# Altium PCB KlusterLab r2.0.PcbDoc (part 11 of 22) (continued)
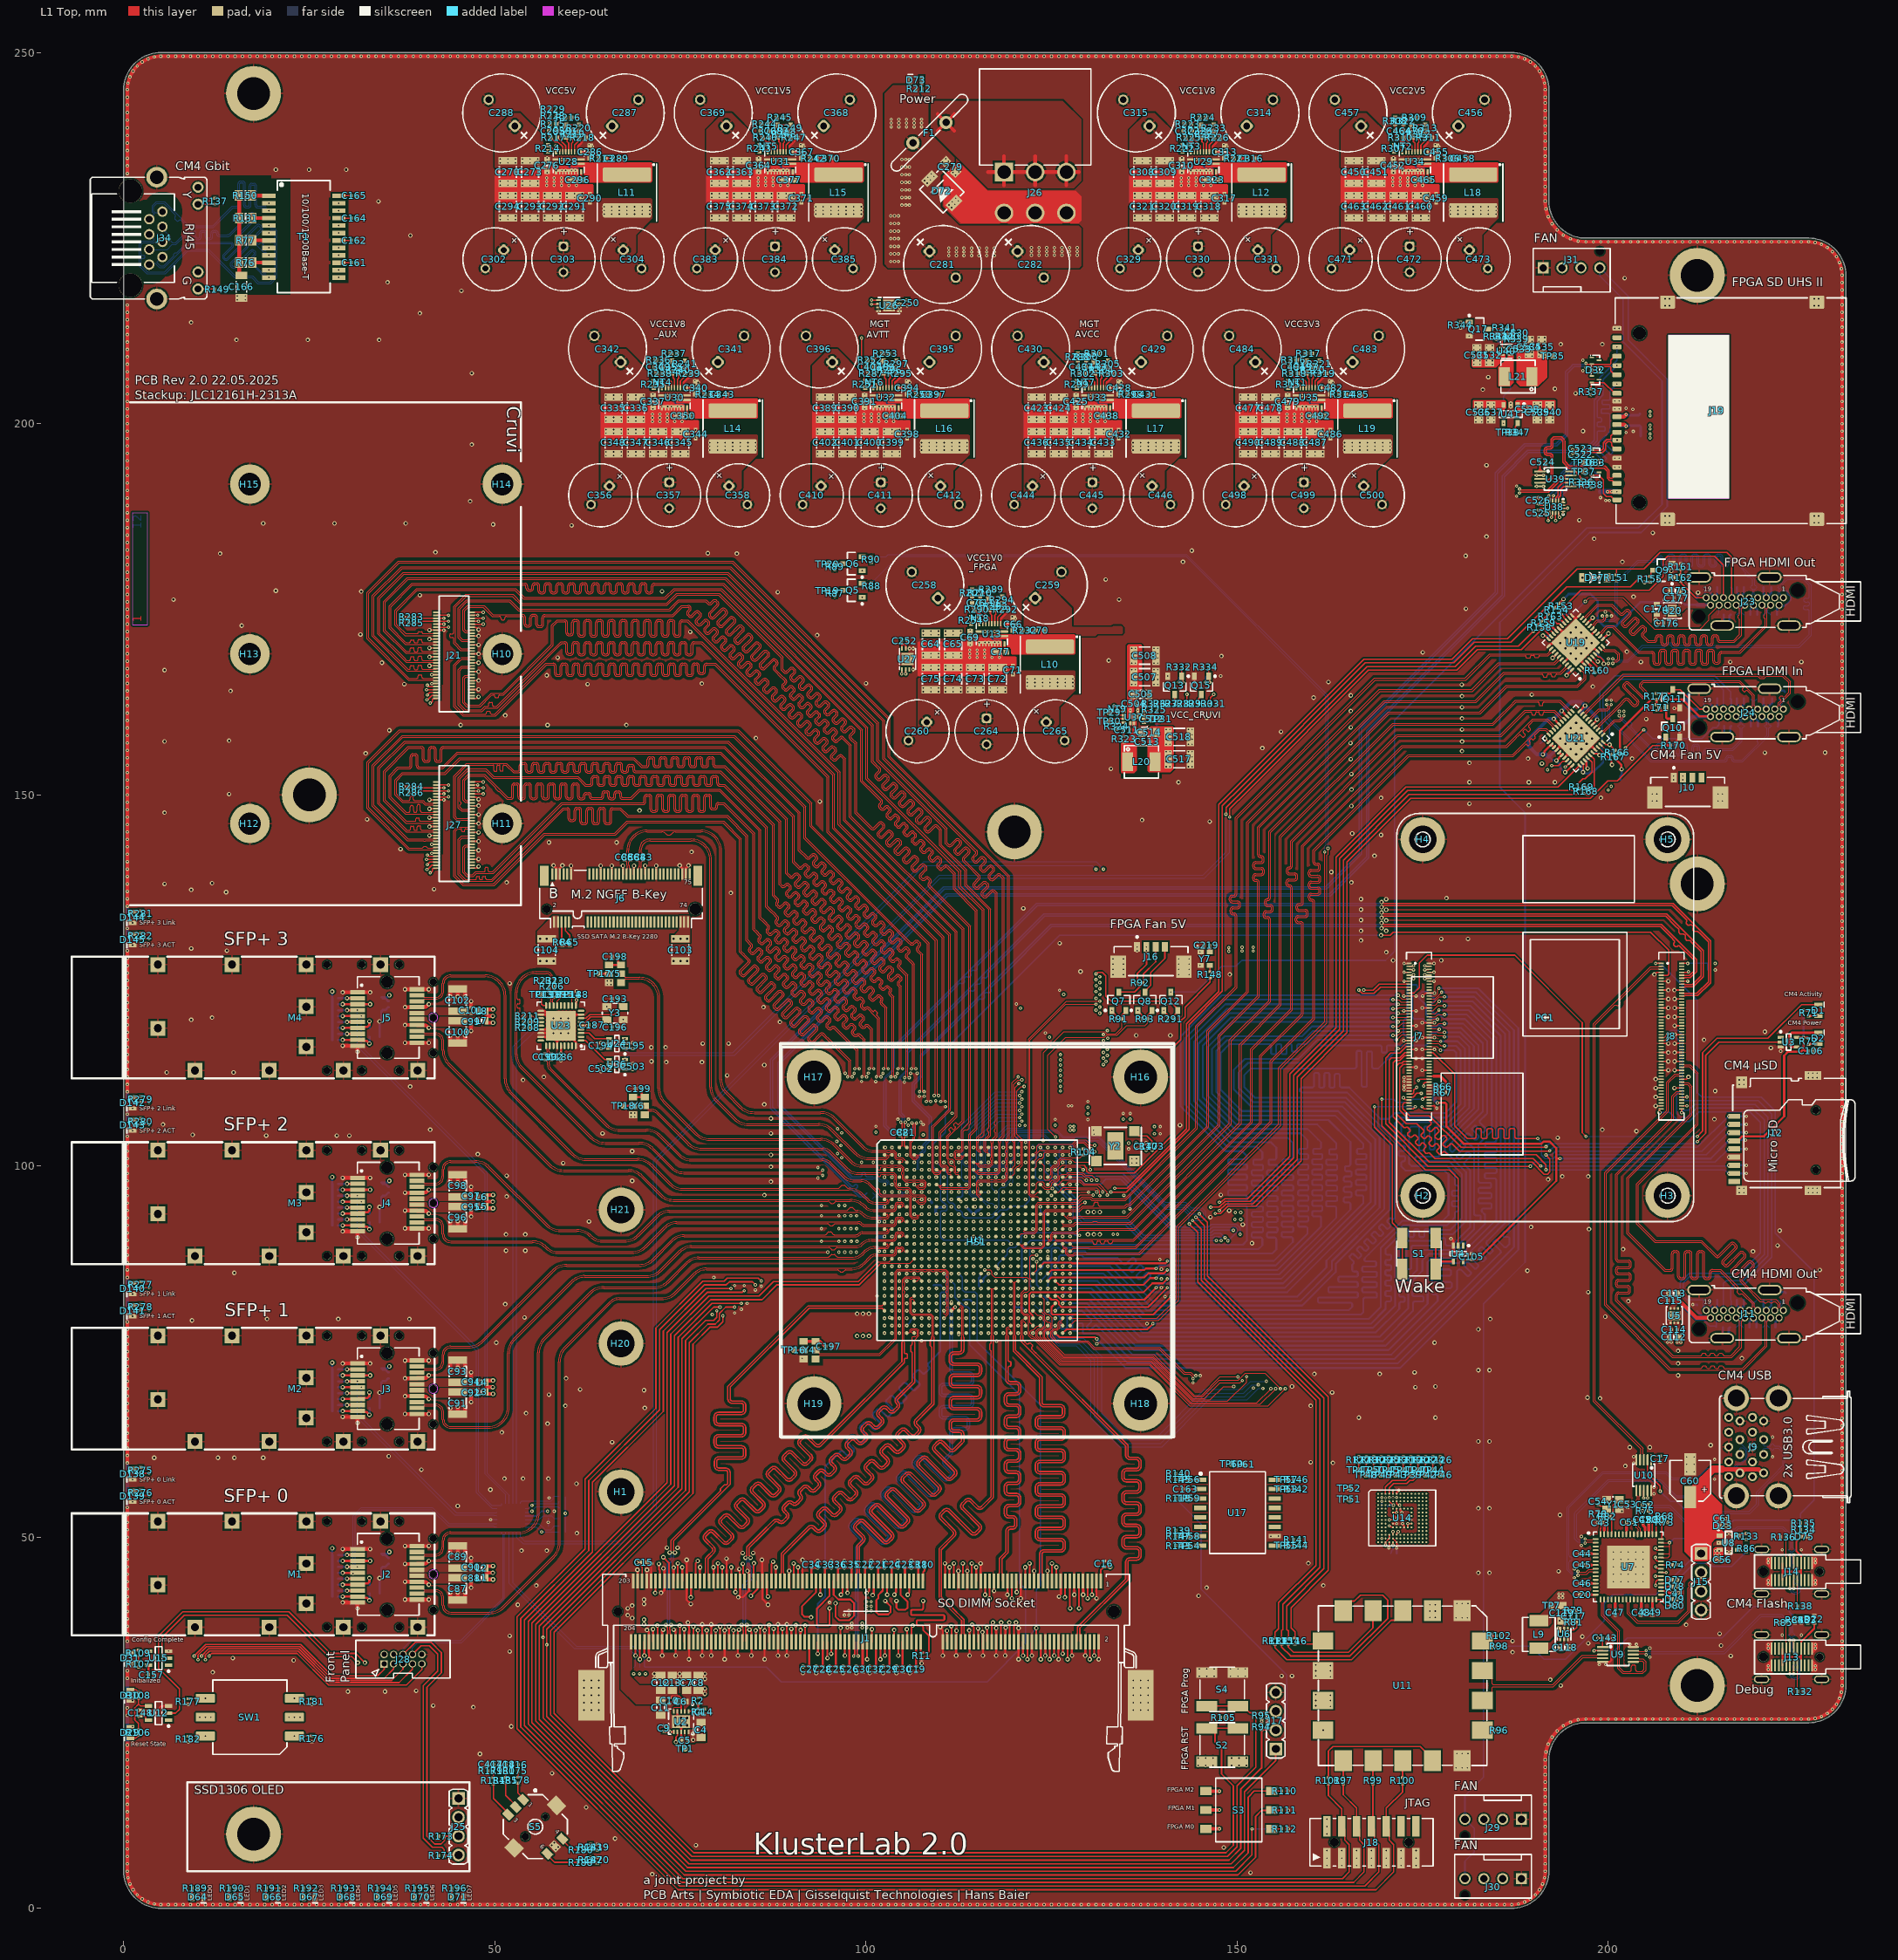
[diagram p0: L1 Top view]
## Nets (pads, with @x,y where several pads share a name; then routed paths per layer and width w, separated by ;. In a path a pad name is that pad's centre, name@x,y a point inside that pad or via, vN(x,y) a via of type N, cw(c..) or ccw(c..) an arc to the next point about the centre after c; other vN are vias at no path point) (continued)
DDR3_D30: J1.68 U1.AB15 | length 50.3
  L1 Top w0.249: v2(111.5,38) 111.525,37.975 111.525,35.925 J1.68@111.55,35.9
  L10 Inner9 (Sig) w0.154: v2(111.5,38) 111.5,41.774 113.126,43.4 113.126,45.667 113.575,46.116 113.575,49.475 118.5,54.4 118.5,74.8 119,75.3 119,78.7 118.7,79 118.2,79 118,79.2 118,79.7 117.7,80 117.3,80 117,80.3 117,81 v1(116.5,81.5)
DDR3_D31: J1.70 U1.AC14 | length 51.8
  L1 Top w0.249: v2(110.9,37.4) 110.925,37.375 110.925,35.925 J1.70@110.95,35.9
  L10 Inner9 (Sig) w0.154: v2(110.9,37.4) 110.9,38.554 110.9,38.631 ccw(c110.746,38.631) 110.746,38.785 109.875,38.785 cw(c109.875,38.936) 109.724,38.936 109.724,39.238 cw(c109.875,39.238) 109.875,39.389 110.815,39.389 ccw(c110.815,39.54) 110.966,39.54 110.966,39.842 ccw(c110.815,39.842) 110.815,39.993 110.119,39.993 cw(c110.119,40.144) 109.968,40.144 109.968,40.446 cw(c110.119,40.446) 110.119,40.597 110.746,40.597 ccw(c110.746,40.751) 110.9,40.751 110.9,41.9 110.9,42.2 111.725,43.025 111.725,45.467 112.5,46.242 112.5,50.5 116.8,54.8 116.8,75 117,75.2 117,78.7 116.7,79 116.3,79 116,79.3 116,79.7 115.556,80.144 115.556,80.444 v1(115.5,80.5)
DDR3_D32: J1.129 U1.AD6 | length 54.8
  L1 Top w0.249: J1.129@90.85,44.1 v2(90.85,45.95)
  L3 Inner2 (Sig) w0.154: v1(107.5,79.5) v1@107.518,79.482
  L10 Inner9 (Sig) w0.154: v2(90.85,45.95) 92.1,44.7 93.5,44.7 94.2,45.4 94.2,46.074 94.2,47.359 ccw(c94.046,47.359) 94.046,47.513 91.969,47.513 cw(c91.969,47.664) 91.818,47.664 91.818,47.966 cw(c91.969,47.966) 91.969,48.117 94.351,48.117 ccw(c94.351,48.268) 94.502,48.268 94.502,48.57 ccw(c94.351,48.57) 94.351,48.721 92.52,48.721 cw(c92.52,48.872) 92.369,48.872 92.369,49.174 cw(c92.52,49.174) 92.52,49.325 94.046,49.325 ccw(c94.046,49.479) 94.2,49.479 94.2,50.4 94.2,50.7 107,63.5 107,76.7 107.3,77 107.7,77 108,77.3 108,77.55 108,78.7 107.518,79.182 107.518,79.482 v1(107.5,79.5)
DDR3_D33: J1.131 U1.AC6 | length 55.9
  L1 Top w0.249: J1.131@90.25,44.1 v2(90.25,46.45)
  L10 Inner9 (Sig) w0.154: v2(90.25,46.45) 90.25,47.65 106.5,63.9 106.5,64.377 106.5,64.454 ccw(c106.346,64.454) 106.346,64.608 105.74,64.608 cw(c105.74,64.759) 105.589,64.759 105.589,65.061 cw(c105.74,65.061) 105.74,65.212 106.419,65.212 ccw(c106.419,65.363) 106.57,65.363 106.57,65.665 ccw(c106.419,65.665) 106.419,65.816 105.74,65.816 cw(c105.74,65.967) 105.589,65.967 105.589,66.269 cw(c105.74,66.269) 105.74,66.42 106.419,66.42 ccw(c106.419,66.571) 106.57,66.571 106.57,66.873 ccw(c106.419,66.873) 106.419,67.024 105.74,67.024 cw(c105.74,67.175) 105.589,67.175 105.589,67.477 cw(c105.74,67.477) 105.74,67.628 106.419,67.628 ccw(c106.419,67.779) 106.57,67.779 106.57,68.081 ccw(c106.419,68.081) 106.419,68.232 105.74,68.232 cw(c105.74,68.383) 105.589,68.383 105.589,68.685 cw(c105.74,68.685) 105.74,68.836 106.419,68.836 ccw(c106.419,68.987) 106.57,68.987 106.57,69.289 ccw(c106.419,69.289) 106.419,69.44 105.74,69.44 cw(c105.74,69.591) 105.589,69.591 105.589,69.893 cw(c105.74,69.893) 105.74,70.044 106.419,70.044 ccw(c106.419,70.195) 106.57,70.195 106.57,70.497 ccw(c106.419,70.497) 106.419,70.648 105.74,70.648 cw(c105.74,70.799) 105.589,70.799 105.589,71.101 cw(c105.74,71.101) 105.74,71.252 106.419,71.252 ccw(c106.419,71.403) 106.57,71.403 106.57,71.705 ccw(c106.419,71.705) 106.419,71.856 105.74,71.856 cw(c105.74,72.007) 105.589,72.007 105.589,72.309 cw(c105.74,72.309) 105.74,72.46 106.419,72.46 ccw(c106.419,72.611) 106.57,72.611 106.57,72.913 ccw(c106.419,72.913) 106.419,73.064 106.312,73.064 cw(c106.312,73.215) 106.161,73.215 106.161,73.517 cw(c106.312,73.517) 106.312,73.668 106.346,73.668 ccw(c106.346,73.822) 106.5,73.822 106.5,75.1 106.5,77.7 107,78.2 107,79.7 107.482,80.182 107.482,80.482 v1(107.5,80.5)
DDR3_D34: J1.141 U1.AC3 | length 53.5
  L1 Top w0.249: J1.141@87.25,44.1 87.25,46.355 87.5,46.605 v2(87.5,46.7)
  L10 Inner9 (Sig) w0.154: v2(87.5,46.7) 87.5,49.5 102.064,64.064 102.064,64.8 102.064,65.481 cw(c102.218,65.481) 102.218,65.635 102.413,65.635 ccw(c102.413,65.786) 102.564,65.786 102.564,66.088 ccw(c102.413,66.088) 102.413,66.239 101.976,66.239 cw(c101.976,66.39) 101.825,66.39 101.825,66.692 cw(c101.976,66.692) 101.976,66.843 102.413,66.843 ccw(c102.413,66.994) 102.564,66.994 102.564,67.296 ccw(c102.413,67.296) 102.413,67.447 101.976,67.447 cw(c101.976,67.598) 101.825,67.598 101.825,67.9 cw(c101.976,67.9) 101.976,68.051 102.413,68.051 ccw(c102.413,68.202) 102.564,68.202 102.564,68.504 ccw(c102.413,68.504) 102.413,68.655 101.976,68.655 cw(c101.976,68.806) 101.825,68.806 101.825,69.108 cw(c101.976,69.108) 101.976,69.259 102.413,69.259 ccw(c102.413,69.41) 102.564,69.41 102.564,69.712 ccw(c102.413,69.712) 102.413,69.863 101.976,69.863 cw(c101.976,70.014) 101.825,70.014 101.825,70.316 cw(c101.976,70.316) 101.976,70.467 102.413,70.467 ccw(c102.413,70.618) 102.564,70.618 102.564,70.92 ccw(c102.413,70.92) 102.413,71.072 101.976,71.072 cw(c101.976,71.223) 101.825,71.223 101.825,71.525 cw(c101.976,71.525) 101.976,71.676 102.413,71.676 ccw(c102.413,71.827) 102.564,71.827 102.564,72.129 ccw(c102.413,72.129) 102.413,72.28 101.976,72.28 cw(c101.976,72.431) 101.825,72.431 101.825,72.733 cw(c101.976,72.733) 101.976,72.884 102.413,72.884 ccw(c102.413,73.035) 102.564,73.035 102.564,73.337 ccw(c102.413,73.337) 102.413,73.488 101.976,73.488 cw(c101.976,73.639) 101.825,73.639 101.825,73.941 cw(c101.976,73.941) 101.976,74.092 102.158,74.092 ccw(c102.158,74.243) 102.309,74.243 102.309,74.545 ccw(c102.158,74.545) 102.158,74.696 102.064,74.696 cw(c102.064,74.847) 101.913,74.847 101.913,75.149 cw(c102.064,75.149) 102.064,75.3 102.218,75.3 ccw(c102.218,75.451) 102.369,75.451 102.369,75.753 ccw(c102.218,75.753) 102.218,75.904 cw(c102.218,76.058) 102.064,76.058 102.064,77 102.064,78.664 102.4,79 102.8,79 103,79.2 103.5,79.2 103.7,79.4 103.7,79.7 v1(104.5,80.5)
DDR3_D35: J1.143 U1.AB4 | length 55.6
  L1 Top w0.249: J1.143@86.65,44.1 86.65,42.245 86.8,42.095 v2(86.8,42)
  L10 Inner9 (Sig) w0.154: v2(86.8,42) 86.8,46.195 86.976,46.37 86.976,49.876 100.5,63.4 100.5,64.972 100.5,65.653 cw(c100.654,65.653) 100.654,65.807 100.715,65.807 ccw(c100.715,65.958) 100.866,65.958 100.866,66.26 ccw(c100.715,66.26) 100.715,66.411 100.444,66.411 cw(c100.444,66.562) 100.293,66.562 100.293,66.864 cw(c100.444,66.864) 100.444,67.015 100.715,67.015 ccw(c100.715,67.166) 100.866,67.166 100.866,67.468 ccw(c100.715,67.468) 100.715,67.619 100.444,67.619 cw(c100.444,67.77) 100.293,67.77 100.293,68.072 cw(c100.444,68.072) 100.444,68.223 100.715,68.223 ccw(c100.715,68.374) 100.866,68.374 100.866,68.676 ccw(c100.715,68.676) 100.715,68.827 100.444,68.827 cw(c100.444,68.978) 100.293,68.978 100.293,69.28 cw(c100.444,69.28) 100.444,69.431 100.715,69.431 ccw(c100.715,69.582) 100.866,69.582 100.866,69.884 ccw(c100.715,69.884) 100.715,70.035 100.444,70.035 cw(c100.444,70.186) 100.293,70.186 100.293,70.488 cw(c100.444,70.488) 100.444,70.639 100.715,70.639 ccw(c100.715,70.79) 100.866,70.79 100.866,71.092 ccw(c100.715,71.092) 100.715,71.243 100.444,71.243 cw(c100.444,71.394) 100.293,71.394 100.293,71.696 cw(c100.444,71.696) 100.444,71.847 100.715,71.847 ccw(c100.715,71.998) 100.866,71.998 100.866,72.3 ccw(c100.715,72.3) 100.715,72.451 100.654,72.451 cw(c100.654,72.605) 100.5,72.605 100.5,74.7 100.5,75 101.5,76 101.5,79.4 102.198,80.098 103.667,80.098 104,80.431 104,80.8 104.2,81 105,81 v1(105.5,81.5)
DDR3_D36: J1.130 U1.AB6 | length 56.7
  L1 Top w0.249: J1.130@90.55,35.9 v2(90.55,38.15)
  L10 Inner9 (Sig) w0.154: v2(90.55,38.15) 92.1,39.7 92.1,39.703 92.1,39.78 ccw(c91.946,39.78) 91.946,39.934 91.751,39.934 cw(c91.751,40.085) 91.6,40.085 91.6,40.387 cw(c91.751,40.387) 91.751,40.538 92.115,40.538 ccw(c92.115,40.689) 92.266,40.689 92.266,40.991 ccw(c92.115,40.991) 92.115,41.142 91.951,41.142 cw(c91.951,41.293) 91.8,41.293 91.8,41.595 cw(c91.951,41.595) 91.951,41.746 92.1,41.746 ccw(c92.1,41.897) 92.251,41.897 92.251,42.199 ccw(c92.1,42.199) 92.1,42.35 91.946,42.35 cw(c91.946,42.501) 91.795,42.501 91.795,42.803 cw(c91.946,42.803) 91.946,42.954 ccw(c91.946,43.108) 92.1,43.108 92.1,43.675 92.1,43.742 89.725,46.116 89.725,48.026 105,63.3 105,73.3 106,74.3 106,76 106,78.6 106.5,79.1 106.5,79.9 107,80.4 107,81 v1(107.5,81.5)
DDR3_D37: J1.132 U1.Y6 | length 55.9
  L1 Top w0.249: J1.132@89.95,35.9 v2(89.95,37.65)
  L10 Inner9 (Sig) w0.154: v2(89.95,37.65) 89.95,38.55 90.1,38.7 90.1,44.1 89.1,45.1 89.1,46.3 89.3,46.5 89.3,48.5 104.5,63.7 104.5,75 104.9,75.4 105,75.5 105,78.7 105.3,79 105.7,79 106,79.3 106,80.7 106.4,81.1 106.4,82.4 v1(107.5,83.5)
DDR3_D38: J1.140 U1.Y5 | length 58.3
  L1 Top w0.249: J1.140@87.55,35.9 v2(87.55,37.65)
  L10 Inner9 (Sig) w0.154: v2(87.55,37.65) 87.55,39.5 87.55,40.181 cw(c87.704,40.181) 87.704,40.335 87.798,40.335 ccw(c87.798,40.486) 87.949,40.486 87.949,40.788 ccw(c87.798,40.788) 87.798,40.939 87.632,40.939 cw(c87.632,41.09) 87.481,41.09 87.481,41.392 cw(c87.632,41.392) 87.632,41.543 87.798,41.543 ccw(c87.798,41.694) 87.949,41.694 87.949,41.996 ccw(c87.798,41.996) 87.798,42.147 87.632,42.147 cw(c87.632,42.298) 87.481,42.298 87.481,42.6 cw(c87.632,42.6) 87.632,42.751 87.798,42.751 ccw(c87.798,42.902) 87.949,42.902 87.949,43.204 ccw(c87.798,43.204) 87.798,43.355 87.704,43.355 cw(c87.704,43.509) 87.55,43.509 87.55,44.1 87.55,44.85 88.374,45.675 88.374,46.326 88.1,46.6 88.1,49.2 103,64.1 103,75.5 103,78.6 103.3,78.9 103.7,78.9 104,79.2 104,79.6 104.4,80 104.8,80 105,80.2 105,80.6 105.45,81.05 105.85,81.05 106,81.2 106,83 v1(106.5,83.5)
DDR3_D39: J1.142 U1.AA4 | length 56.2
  L1 Top w0.249: J1.142@86.95,35.9 v2(86.95,38.15)
  L10 Inner9 (Sig) w0.154: v2(86.95,38.15) 86,39.1 86,46.158 86.5,46.658 86.5,50.3 99.5,63.3 99.5,75 101,76.5 101,79.569 102.431,81 103.7,81 104,81.3 104,81.6 104.4,82 105,82 v1(105.5,82.5)
DDR3_D40: J1.147 U1.AF3 | length 53.3
  L1 Top w0.249: v2(84.5,42.1) 85.399,43 85.399,44.05 J1.147@85.45,44.1
  L3 Inner2 (Sig) w0.154: v2(84.5,42.1) 84.5,43 85.5,44 85.5,47.241 85.8,47.541 85.8,48.4 104.893,67.493 105,67.6 105,68.328 cw(c105.154,68.328) 105.154,68.482 105.253,68.482 ccw(c105.253,68.633) 105.404,68.633 105.404,68.935 ccw(c105.253,68.935) 105.253,69.086 104.873,69.086 cw(c104.873,69.237) 104.722,69.237 104.722,69.539 cw(c104.873,69.539) 104.873,69.69 105.253,69.69 ccw(c105.253,69.841) 105.404,69.841 105.404,70.143 ccw(c105.253,70.143) 105.253,70.294 104.873,70.294 cw(c104.873,70.445) 104.722,70.445 104.722,70.747 cw(c104.873,70.747) 104.873,70.898 105.253,70.898 ccw(c105.253,71.049) 105.404,71.049 105.404,71.352 ccw(c105.253,71.352) 105.253,71.503 104.873,71.503 cw(c104.873,71.654) 104.722,71.654 104.722,71.956 cw(c104.873,71.956) 104.873,72.107 105.253,72.107 ccw(c105.253,72.258) 105.404,72.258 105.404,72.56 ccw(c105.253,72.56) 105.253,72.711 104.873,72.711 cw(c104.873,72.862) 104.722,72.862 104.722,73.164 cw(c104.873,73.164) 104.873,73.315 105.253,73.315 ccw(c105.253,73.466) 105.404,73.466 105.404,73.768 ccw(c105.253,73.768) 105.253,73.919 104.873,73.919 cw(c104.873,74.07) 104.722,74.07 104.722,74.372 cw(c104.873,74.372) 104.873,74.523 105.253,74.523 ccw(c105.253,74.674) 105.404,74.674 105.404,74.976 ccw(c105.253,74.976) 105.253,75.127 104.931,75.127 cw(c104.931,75.278) 104.78,75.278 104.78,75.58 cw(c104.931,75.58) 104.931,75.731 105.154,75.731 ccw(c105.154,75.882) 105.305,75.882 105.305,76.184 ccw(c105.154,76.184) 105.154,76.335 cw(c105.154,76.489) 105,76.489 105,77 104.863,77.137 v1(104.5,77.5)
DDR3_D41: J1.149 U1.AE3 | length 52.7
  L1 Top w0.249: J1.149@84.85,44.1 84.85,46.45 v2(84.9,46.5)
  L3 Inner2 (Sig) w0.154: v2(84.9,46.5) 84.985,46.585 84.985,46.932 85.1,47.047 85.1,47.4 85.3,47.6 85.3,49.3 88.443,52.443 88.925,52.925 cw(c89.034,52.816) 89.143,52.925 89.144,52.924 ccw(c89.251,53.031) 89.358,52.924 89.571,53.137 ccw(c89.464,53.244) 89.571,53.351 89.472,53.45 cw(c89.579,53.556) 89.472,53.663 89.686,53.877 cw(c89.793,53.77) 89.9,53.877 89.998,53.778 ccw(c90.105,53.885) 90.212,53.778 90.425,53.992 ccw(c90.319,54.098) 90.425,54.205 90.327,54.304 cw(c90.433,54.411) 90.327,54.517 90.54,54.731 cw(c90.647,54.624) 90.754,54.731 90.852,54.632 ccw(c90.959,54.739) 91.066,54.632 91.28,54.846 ccw(c91.173,54.953) 91.28,55.059 91.181,55.158 cw(c91.288,55.265) 91.181,55.372 91.394,55.585 cw(c91.501,55.478) 91.608,55.585 91.707,55.487 ccw(c91.814,55.593) 91.92,55.487 92.134,55.7 ccw(c92.027,55.807) 92.134,55.914 92.035,56.012 cw(c92.142,56.119) 92.035,56.226 92.249,56.439 cw(c92.356,56.333) 92.462,56.439 92.561,56.341 ccw(c92.668,56.448) 92.775,56.341 92.988,56.554 ccw(c92.881,56.661) 92.988,56.768 92.889,56.867 cw(c92.996,56.973) 92.889,57.08 93.103,57.294 cw(c93.21,57.187) 93.317,57.294 93.415,57.195 ccw(c93.522,57.302) 93.629,57.195 93.842,57.409 ccw(c93.736,57.515) 93.842,57.622 93.744,57.721 cw(c93.85,57.828) 93.744,57.934 93.957,58.148 cw(c94.064,58.041) 94.171,58.148 94.269,58.049 ccw(c94.376,58.156) 94.483,58.049 94.697,58.263 ccw(c94.59,58.37) 94.697,58.476 94.598,58.575 cw(c94.705,58.682) 94.598,58.789 94.811,59.002 cw(c94.918,58.895) 95.025,59.002 95.124,58.904 ccw(c95.231,59.01) 95.337,58.904 95.551,59.117 ccw(c95.444,59.224) 95.551,59.331 95.452,59.429 cw(c95.559,59.536) 95.452,59.643 95.666,59.856 cw(c95.772,59.75) 95.879,59.856 95.978,59.758 ccw(c96.085,59.865) 96.192,59.758 96.405,59.971 ccw(c96.298,60.078) 96.405,60.185 96.306,60.284 cw(c96.413,60.39) 96.306,60.497 96.52,60.711 cw(c96.627,60.604) 96.734,60.711 96.832,60.612 ccw(c96.939,60.719) 97.046,60.612 97.259,60.826 ccw(c97.153,60.932) 97.259,61.039 97.161,61.138 cw(c97.267,61.245) 97.161,61.351 97.374,61.565 cw(c97.481,61.458) 97.588,61.565 97.686,61.466 ccw(c97.793,61.573) 97.9,61.466 98.114,61.68 ccw(c98.007,61.787) 98.114,61.893 98.015,61.992 cw(c98.122,62.099) 98.015,62.206 98.228,62.419 cw(c98.335,62.312) 98.442,62.419 98.541,62.321 ccw(c98.647,62.427) 98.754,62.321 98.968,62.534 ccw(c98.861,62.641) 98.968,62.748 98.869,62.846 cw(c98.976,62.953) 98.869,63.06 99.083,63.273 cw(c99.189,63.167) 99.296,63.273 99.395,63.175 ccw(c99.502,63.282) 99.609,63.175 99.822,63.388 ccw(c99.715,63.495) 99.822,63.602 99.723,63.701 cw(c99.83,63.807) 99.723,63.914 99.937,64.128 cw(c100.044,64.021) 100.15,64.128 100.249,64.029 ccw(c100.356,64.136) 100.463,64.029 100.676,64.243 ccw(c100.57,64.349) 100.676,64.456 100.578,64.555 cw(c100.684,64.662) 100.578,64.768 100.791,64.982 cw(c100.898,64.875) 101.005,64.982 101.103,64.883 ccw(c101.21,64.99) 101.317,64.883 101.531,65.097 ccw(c101.424,65.204) 101.531,65.31 101.432,65.409 cw(c101.539,65.516) 101.432,65.623 101.645,65.836 cw(c101.752,65.729) 101.859,65.836 101.888,65.808 ccw(c101.994,65.914) 102.101,65.808 102.315,66.021 ccw(c102.208,66.128) 102.315,66.235 102.286,66.263 cw(c102.393,66.37) 102.286,66.477 102.5,66.69 cw(c102.606,66.584) 102.713,66.69 102.811,66.593 ccw(c102.918,66.7) 103.024,66.593 103.238,66.806 ccw(c103.131,66.913) 103.238,67.02 cw(c103.347,67.129) 103.238,67.238 103.65,67.65 104,68 104,78 v1(104.5,78.5)
DDR3_D42: J1.157 U1.AE2 | length 52.1
  L1 Top w0.249: v2(82.4,42.6) 82.425,42.625 82.425,44.075 J1.157@82.45,44.1
  L3 Inner2 (Sig) w0.154: v2(82.4,42.6) 82.45,42.65 82.45,43 82.45,43.077 ccw(c82.296,43.077) 82.296,43.231 81.966,43.231 cw(c81.966,43.382) 81.815,43.382 81.815,43.684 cw(c81.966,43.684) 81.966,43.835 84.431,43.835 ccw(c84.431,43.986) 84.582,43.986 84.582,44.288 ccw(c84.431,44.288) 84.431,44.439 82.118,44.439 cw(c82.118,44.59) 81.967,44.59 81.967,44.892 cw(c82.118,44.892) 82.118,45.043 82.296,45.043 ccw(c82.296,45.197) 82.45,45.197 82.45,45.7 82.45,48.95 103,69.5 103,78 103.498,78.498 v1(103.5,78.498)
DDR3_D43: J1.159 U1.AE1 | length 53.4
  L1 Top w0.249: J1.159@81.85,44.1 v2(81.85,45.95)
  L3 Inner2 (Sig) w0.154: v2(81.85,45.95) 81.882,45.982 81.882,46.382 82.1,46.6 82.1,49.6 102.02,69.52 102.02,69.898 102.02,69.975 ccw(c101.866,69.975) 101.866,70.129 100.786,70.129 cw(c100.786,70.28) 100.635,70.28 100.635,70.582 cw(c100.786,70.582) 100.786,70.733 102.096,70.733 ccw(c102.096,70.884) 102.247,70.884 102.247,71.186 ccw(c102.096,71.186) 102.096,71.337 100.786,71.337 cw(c100.786,71.488) 100.635,71.488 100.635,71.79 cw(c100.786,71.79) 100.786,71.941 102.096,71.941 ccw(c102.096,72.092) 102.247,72.092 102.247,72.394 ccw(c102.096,72.394) 102.096,72.545 100.786,72.545 cw(c100.786,72.696) 100.635,72.696 100.635,72.998 cw(c100.786,72.998) 100.786,73.149 102.096,73.149 ccw(c102.096,73.3) 102.247,73.3 102.247,73.602 ccw(c102.096,73.602) 102.096,73.753 101.282,73.753 cw(c101.282,73.904) 101.131,73.904 101.131,74.206 cw(c101.282,74.206) 101.282,74.357 101.866,74.357 ccw(c101.866,74.511) 102.02,74.511 102.02,75.4 102.02,78.08 102.441,78.5 v1(102.5,78.5)
DDR3_D44: J1.146 U1.AE6 | length 56.7
  L1 Top w0.249: J1.146@85.75,35.9 v2(85.75,37.95)
  L3 Inner2 (Sig) w0.154: v2(85.75,37.95) 85.75,38.352 85.75,39.033 cw(c85.904,39.033) 85.904,39.187 87.312,39.187 ccw(c87.312,39.338) 87.463,39.338 87.463,39.64 ccw(c87.312,39.64) 87.312,39.791 85.812,39.791 cw(c85.812,39.942) 85.661,39.942 85.661,40.244 cw(c85.812,40.244) 85.812,40.395 86.087,40.395 ccw(c86.087,40.546) 86.238,40.546 86.238,40.848 ccw(c86.087,40.848) 86.087,40.999 85.812,40.999 cw(c85.812,41.15) 85.661,41.15 85.661,41.452 cw(c85.812,41.452) 85.812,41.603 85.904,41.603 ccw(c85.904,41.754) 86.055,41.754 86.055,42.056 ccw(c85.904,42.056) 85.904,42.207 cw(c85.904,42.361) 85.75,42.361 85.75,42.71 87.25,44.21 87.25,46.275 86.9,46.625 86.9,47.4 106.5,67 106.5,77.8 107.182,78.482 107.482,78.482 v1(107.5,78.5)
DDR3_D45: J1.148 U1.AE5 | length 56.6
  L1 Top w0.249: J1.148@85.15,35.9 v2(85.15,37.45)
  L3 Inner2 (Sig) w0.154: v2(85.15,37.45) 85.15,39.492 85.15,39.569 ccw(c84.996,39.569) 84.996,39.723 83.891,39.723 cw(c83.891,39.874) 83.74,39.874 83.74,40.176 cw(c83.891,40.176) 83.891,40.327 85.073,40.327 ccw(c85.073,40.478) 85.224,40.478 85.224,40.781 ccw(c85.073,40.781) 85.073,40.932 83.962,40.932 cw(c83.962,41.083) 83.811,41.083 83.811,41.385 cw(c83.962,41.385) 83.962,41.536 84.996,41.536 ccw(c84.996,41.69) 85.15,41.69 85.15,42.014 85.15,42.75 86.013,43.613 86.013,46.213 86.5,46.7 86.5,48 106,67.5 106,78 v1(106.5,78.5)
DDR3_D46: J1.158 U1.AD4 | length 56.9
  L1 Top w0.249: J1.158@82.15,35.9 v2(82.15,37.45)
  L3 Inner2 (Sig) w0.154: v2(82.15,37.45) 82.15,38.3 82.15,38.377 ccw(c81.996,38.377) 81.996,38.531 81.818,38.531 cw(c81.818,38.682) 81.667,38.682 81.667,38.984 cw(c81.818,38.984) 81.818,39.135 82.15,39.135 ccw(c82.15,39.286) 82.301,39.286 82.301,39.588 ccw(c82.15,39.588) 82.15,39.739 81.996,39.739 cw(c81.996,39.89) 81.845,39.89 81.845,40.192 cw(c81.996,40.192) 81.996,40.343 ccw(c81.996,40.497) 82.15,40.497 82.15,41.193 82.15,41.55 81.373,42.327 81.373,46.331 81.727,46.685 81.727,49.927 100,68.2 100,74.5 101.5,76 101.5,78.3 102.2,79 105,79 105.486,79.486 v1(105.486,79.514)
DDR3_D47: J1.160 U1.AD1 | length 53.3
  L1 Top w0.249: J1.160@81.55,35.9 v2(81.55,37.95)
  L3 Inner2 (Sig) w0.154: v2(81.55,37.95) 81.1,38.4 81.1,46.3 80.723,46.677 80.723,49.523 99.5,68.3 99.5,75 101,76.5 101,78.5 102,79.5 v1(102.5,79.5)
DDR3_D48: J1.163 U1.W3 | length 69.6
  L1 Top w0.249: v2(80.623,45.95) 80.636,45.936 80.636,44.114 J1.163@80.65,44.1
  L10 Inner9 (Sig) w0.154: v2(80.623,45.95) 80.65,45.977 80.65,48.15 81.5,49 81.5,49.777 81.5,50.458 cw(c81.654,50.458) 81.654,50.612 81.706,50.612 ccw(c81.706,50.763) 81.856,50.763 81.856,51.065 ccw(c81.706,51.065) 81.706,51.216 81.386,51.216 cw(c81.386,51.367) 81.235,51.367 81.235,51.669 cw(c81.386,51.669) 81.386,51.82 81.706,51.82 ccw(c81.706,51.971) 81.856,51.971 81.856,52.273 ccw(c81.706,52.273) 81.706,52.424 81.386,52.424 cw(c81.386,52.575) 81.235,52.575 81.235,52.877 cw(c81.386,52.877) 81.386,53.028 81.706,53.028 ccw(c81.706,53.179) 81.856,53.179 81.856,53.481 ccw(c81.706,53.481) 81.706,53.632 81.386,53.632 cw(c81.386,53.783) 81.235,53.783 81.235,54.085 cw(c81.386,54.085) 81.386,54.236 81.706,54.236 ccw(c81.706,54.387) 81.856,54.387 81.856,54.689 ccw(c81.706,54.689) 81.706,54.84 81.386,54.84 cw(c81.386,54.991) 81.235,54.991 81.235,55.293 cw(c81.386,55.293) 81.386,55.444 81.706,55.444 ccw(c81.706,55.595) 81.856,55.595 81.856,55.897 ccw(c81.706,55.897) 81.706,56.048 81.386,56.048 cw(c81.386,56.199) 81.235,56.199 81.235,56.501 cw(c81.386,56.501) 81.386,56.652 81.706,56.652 ccw(c81.706,56.803) 81.856,56.803 81.856,57.105 ccw(c81.706,57.105) 81.706,57.256 81.386,57.256 cw(c81.386,57.407) 81.235,57.407 81.235,57.709 cw(c81.386,57.709) 81.386,57.86 81.706,57.86 ccw(c81.706,58.011) 81.856,58.011 81.856,58.313 ccw(c81.706,58.313) 81.706,58.464 81.386,58.464 cw(c81.386,58.615) 81.235,58.615 81.235,58.917 cw(c81.386,58.917) 81.386,59.068 81.706,59.068 ccw(c81.706,59.219) 81.856,59.219 81.856,59.521 ccw(c81.706,59.521) 81.706,59.672 81.386,59.672 cw(c81.386,59.823) 81.235,59.823 81.235,60.125 cw(c81.386,60.125) 81.386,60.276 81.706,60.276 ccw(c81.706,60.427) 81.856,60.427 81.856,60.729 ccw(c81.706,60.729) 81.706,60.88 81.386,60.88 cw(c81.386,61.031) 81.235,61.031 81.235,61.333 cw(c81.386,61.333) 81.386,61.484 81.706,61.484 ccw(c81.706,61.635) 81.856,61.635 81.856,61.937 ccw(c81.706,61.937) 81.706,62.088 81.386,62.088 cw(c81.386,62.239) 81.235,62.239 81.235,62.541 cw(c81.386,62.541) 81.386,62.692 81.706,62.692 ccw(c81.706,62.843) 81.856,62.843 81.856,63.145 ccw(c81.706,63.145) 81.706,63.296 81.386,63.296 cw(c81.386,63.447) 81.235,63.447 81.235,63.749 cw(c81.386,63.749) 81.386,63.9 81.706,63.9 ccw(c81.706,64.051) 81.856,64.051 81.856,64.353 ccw(c81.706,64.353) 81.706,64.504 81.386,64.504 cw(c81.386,64.655) 81.235,64.655 81.235,64.957 cw(c81.386,64.957) 81.386,65.108 81.706,65.108 ccw(c81.706,65.259) 81.856,65.259 81.856,65.561 ccw(c81.706,65.561) 81.706,65.712 81.386,65.712 cw(c81.386,65.863) 81.235,65.863 81.235,66.165 cw(c81.386,66.165) 81.386,66.316 81.706,66.316 ccw(c81.706,66.467) 81.856,66.467 81.856,66.769 ccw(c81.706,66.769) 81.706,66.92 81.483,66.92 cw(c81.483,67.071) 81.332,67.071 81.332,67.373 cw(c81.483,67.373) 81.483,67.524 81.654,67.524 ccw(c81.654,67.675) 81.805,67.675 81.805,67.977 ccw(c81.654,67.977) 81.654,68.128 cw(c81.654,68.282) 81.5,68.282 81.5,69.2 81.5,70 94.5,83 103.7,83 104,83.3 104,84 v1(104.5,84.5)
DDR3_D49: J1.165 U1.V4 | length 72.6
  L1 Top w0.249: J1.165@80.05,44.1 v2(80.05,46.45)
  L10 Inner9 (Sig) w0.154: v2(80.05,46.45) 80.05,47.95 80.05,49.05 80.5,49.5 80.5,49.8 80.5,49.877 ccw(c80.346,49.877) 80.346,50.031 80.151,50.031 cw(c80.151,50.182) 80,50.182 80,50.484 cw(c80.151,50.484) 80.151,50.635 80.459,50.635 ccw(c80.459,50.786) 80.61,50.786 80.61,51.088 ccw(c80.459,51.088) 80.459,51.239 80.151,51.239 cw(c80.151,51.39) 80,51.39 80,51.692 cw(c80.151,51.692) 80.151,51.843 80.459,51.843 ccw(c80.459,51.994) 80.61,51.994 80.61,52.296 ccw(c80.459,52.296) 80.459,52.447 80.151,52.447 cw(c80.151,52.598) 80,52.598 80,52.9 cw(c80.151,52.9) 80.151,53.051 80.459,53.051 ccw(c80.459,53.202) 80.61,53.202 80.61,53.504 ccw(c80.459,53.504) 80.459,53.655 80.151,53.655 cw(c80.151,53.806) 80,53.806 80,54.108 cw(c80.151,54.108) 80.151,54.259 80.459,54.259 ccw(c80.459,54.41) 80.61,54.41 80.61,54.712 ccw(c80.459,54.712) 80.459,54.863 80.151,54.863 cw(c80.151,55.014) 80,55.014 80,55.316 cw(c80.151,55.316) 80.151,55.467 80.459,55.467 ccw(c80.459,55.618) 80.61,55.618 80.61,55.92 ccw(c80.459,55.92) 80.459,56.071 80.151,56.071 cw(c80.151,56.222) 80,56.222 80,56.524 cw(c80.151,56.524) 80.151,56.675 80.459,56.675 ccw(c80.459,56.826) 80.61,56.826 80.61,57.128 ccw(c80.459,57.128) 80.459,57.279 80.151,57.279 cw(c80.151,57.43) 80,57.43 80,57.732 cw(c80.151,57.732) 80.151,57.883 80.459,57.883 ccw(c80.459,58.034) 80.61,58.034 80.61,58.336 ccw(c80.459,58.336) 80.459,58.487 80.151,58.487 cw(c80.151,58.638) 80,58.638 80,58.94 cw(c80.151,58.94) 80.151,59.091 80.459,59.091 ccw(c80.459,59.242) 80.61,59.242 80.61,59.544 ccw(c80.459,59.544) 80.459,59.695 80.151,59.695 cw(c80.151,59.846) 80,59.846 80,60.148 cw(c80.151,60.148) 80.151,60.299 80.459,60.299 ccw(c80.459,60.45) 80.61,60.45 80.61,60.752 ccw(c80.459,60.752) 80.459,60.903 80.151,60.903 cw(c80.151,61.054) 80,61.054 80,61.356 cw(c80.151,61.356) 80.151,61.507 80.459,61.507 ccw(c80.459,61.658) 80.61,61.658 80.61,61.96 ccw(c80.459,61.96) 80.459,62.111 80.151,62.111 cw(c80.151,62.262) 80,62.262 80,62.564 cw(c80.151,62.564) 80.151,62.715 80.459,62.715 ccw(c80.459,62.866) 80.61,62.866 80.61,63.168 ccw(c80.459,63.168) 80.459,63.319 80.151,63.319 cw(c80.151,63.47) 80,63.47 80,63.772 cw(c80.151,63.772) 80.151,63.923 80.459,63.923 ccw(c80.459,64.074) 80.61,64.074 80.61,64.376 ccw(c80.459,64.376) 80.459,64.527 80.151,64.527 cw(c80.151,64.678) 80,64.678 80,64.98 cw(c80.151,64.98) 80.151,65.131 80.459,65.131 ccw(c80.459,65.282) 80.61,65.282 80.61,65.584 ccw(c80.459,65.584) 80.459,65.735 80.151,65.735 cw(c80.151,65.886) 80,65.886 80,66.188 cw(c80.151,66.188) 80.151,66.339 80.459,66.339 ccw(c80.459,66.49) 80.61,66.49 80.61,66.792 ccw(c80.459,66.792) 80.459,66.943 80.151,66.943 cw(c80.151,67.094) 80,67.094 80,67.396 cw(c80.151,67.396) 80.151,67.547 80.459,67.547 ccw(c80.459,67.698) 80.61,67.698 80.61,68 ccw(c80.459,68) 80.459,68.151 80.213,68.151 cw(c80.213,68.302) 80.062,68.302 80.062,68.604 cw(c80.213,68.604) 80.213,68.755 80.346,68.755 ccw(c80.346,68.909) 80.5,68.909 80.5,69.5 80.5,69.9 94.6,84 103.6,84 104,84.4 104,84.568 104.432,85 105,85 v1(105.5,85.5)
DDR3_D50: J1.175 U1.U2 | length 72
  L1 Top w0.249: J1.175@77.05,44.1 77.05,46.455 77.324,46.73 v2(77.324,46.8)
  L10 Inner9 (Sig) w0.154: v2(77.324,46.8) 77.324,46.838 77.6,47.113 77.6,49.63 77.6,49.707 77.6,50.311 cw(c77.754,50.311) 77.754,50.465 77.817,50.465 ccw(c77.817,50.616) 77.968,50.616 77.968,50.918 ccw(c77.817,50.918) 77.817,51.069 77.574,51.069 cw(c77.574,51.22) 77.423,51.22 77.423,51.522 cw(c77.574,51.522) 77.574,51.673 77.817,51.673 ccw(c77.817,51.824) 77.968,51.824 77.968,52.126 ccw(c77.817,52.126) 77.817,52.277 77.574,52.277 cw(c77.574,52.428) 77.423,52.428 77.423,52.73 cw(c77.574,52.73) 77.574,52.881 77.817,52.881 ccw(c77.817,53.032) 77.968,53.032 77.968,53.334 ccw(c77.817,53.334) 77.817,53.485 77.574,53.485 cw(c77.574,53.636) 77.423,53.636 77.423,53.938 cw(c77.574,53.938) 77.574,54.089 77.817,54.089 ccw(c77.817,54.24) 77.968,54.24 77.968,54.542 ccw(c77.817,54.542) 77.817,54.693 77.574,54.693 cw(c77.574,54.844) 77.423,54.844 77.423,55.146 cw(c77.574,55.146) 77.574,55.297 77.817,55.297 ccw(c77.817,55.448) 77.968,55.448 77.968,55.75 ccw(c77.817,55.75) 77.817,55.901 77.574,55.901 cw(c77.574,56.052) 77.423,56.052 77.423,56.354 cw(c77.574,56.354) 77.574,56.505 77.817,56.505 ccw(c77.817,56.656) 77.968,56.656 77.968,56.958 ccw(c77.817,56.958) 77.817,57.109 77.574,57.109 cw(c77.574,57.26) 77.423,57.26 77.423,57.562 cw(c77.574,57.562) 77.574,57.713 77.817,57.713 ccw(c77.817,57.864) 77.968,57.864 77.968,58.166 ccw(c77.817,58.166) 77.817,58.317 77.574,58.317 cw(c77.574,58.468) 77.423,58.468 77.423,58.77 cw(c77.574,58.77) 77.574,58.921 77.817,58.921 ccw(c77.817,59.072) 77.968,59.072 77.968,59.374 ccw(c77.817,59.374) 77.817,59.525 77.574,59.525 cw(c77.574,59.676) 77.423,59.676 77.423,59.978 cw(c77.574,59.978) 77.574,60.129 77.817,60.129 ccw(c77.817,60.28) 77.968,60.28 77.968,60.582 ccw(c77.817,60.582) 77.817,60.733 77.574,60.733 cw(c77.574,60.884) 77.423,60.884 77.423,61.186 cw(c77.574,61.186) 77.574,61.337 77.817,61.337 ccw(c77.817,61.488) 77.968,61.488 77.968,61.79 ccw(c77.817,61.79) 77.817,61.941 77.574,61.941 cw(c77.574,62.092) 77.423,62.092 77.423,62.394 cw(c77.574,62.394) 77.574,62.545 77.817,62.545 ccw(c77.817,62.696) 77.968,62.696 77.968,62.998 ccw(c77.817,62.998) 77.817,63.149 77.574,63.149 cw(c77.574,63.3) 77.423,63.3 77.423,63.602 cw(c77.574,63.602) 77.574,63.753 77.817,63.753 ccw(c77.817,63.904) 77.968,63.904 77.968,64.206 ccw(c77.817,64.206) 77.817,64.357 77.574,64.357 cw(c77.574,64.508) 77.423,64.508 77.423,64.81 cw(c77.574,64.81) 77.574,64.961 77.817,64.961 ccw(c77.817,65.112) 77.968,65.112 77.968,65.414 ccw(c77.817,65.414) 77.817,65.565 77.574,65.565 cw(c77.574,65.716) 77.423,65.716 77.423,66.018 cw(c77.574,66.018) 77.574,66.169 77.817,66.169 ccw(c77.817,66.32) 77.968,66.32 77.968,66.622 ccw(c77.817,66.622) 77.817,66.773 77.574,66.773 cw(c77.574,66.924) 77.423,66.924 77.423,67.226 cw(c77.574,67.226) 77.574,67.377 77.626,67.377 ccw(c77.626,67.528) 77.777,67.528 77.777,67.83 ccw(c77.626,67.83) 77.626,67.981 77.6,67.981 cw(c77.6,68.132) 77.449,68.132 77.449,68.434 cw(c77.6,68.434) 77.6,68.585 77.755,68.585 ccw(c77.755,68.736) 77.906,68.736 77.906,69.038 ccw(c77.755,69.038) 77.755,69.189 cw(c77.755,69.343) 77.601,69.343 77.601,70.524 77.601,70.601 94,87 102.578,87 103.044,86.534 103.466,86.534 v1(103.5,86.5)